# Altium PCB FMC_ADC_128CH_10B.PcbDoc (part 6 of 14)
Units mm, origin at the board's own origin, x right, y up, seen from the top; angles counter-clockwise.
Board outline 76.5 x 69 mm, 8 copper layers (Top Layer, Int1 (Sign), Int2 (GND), Int3 (Sign), Int4 (Sign), Int5 (GND), Int6 (Sign), Bottom Layer), stack 1.433 mm thick; 815 components, 661 nets, 3772 pads, 2072 vias.
Unrouted connection lines stored in the file: 135.
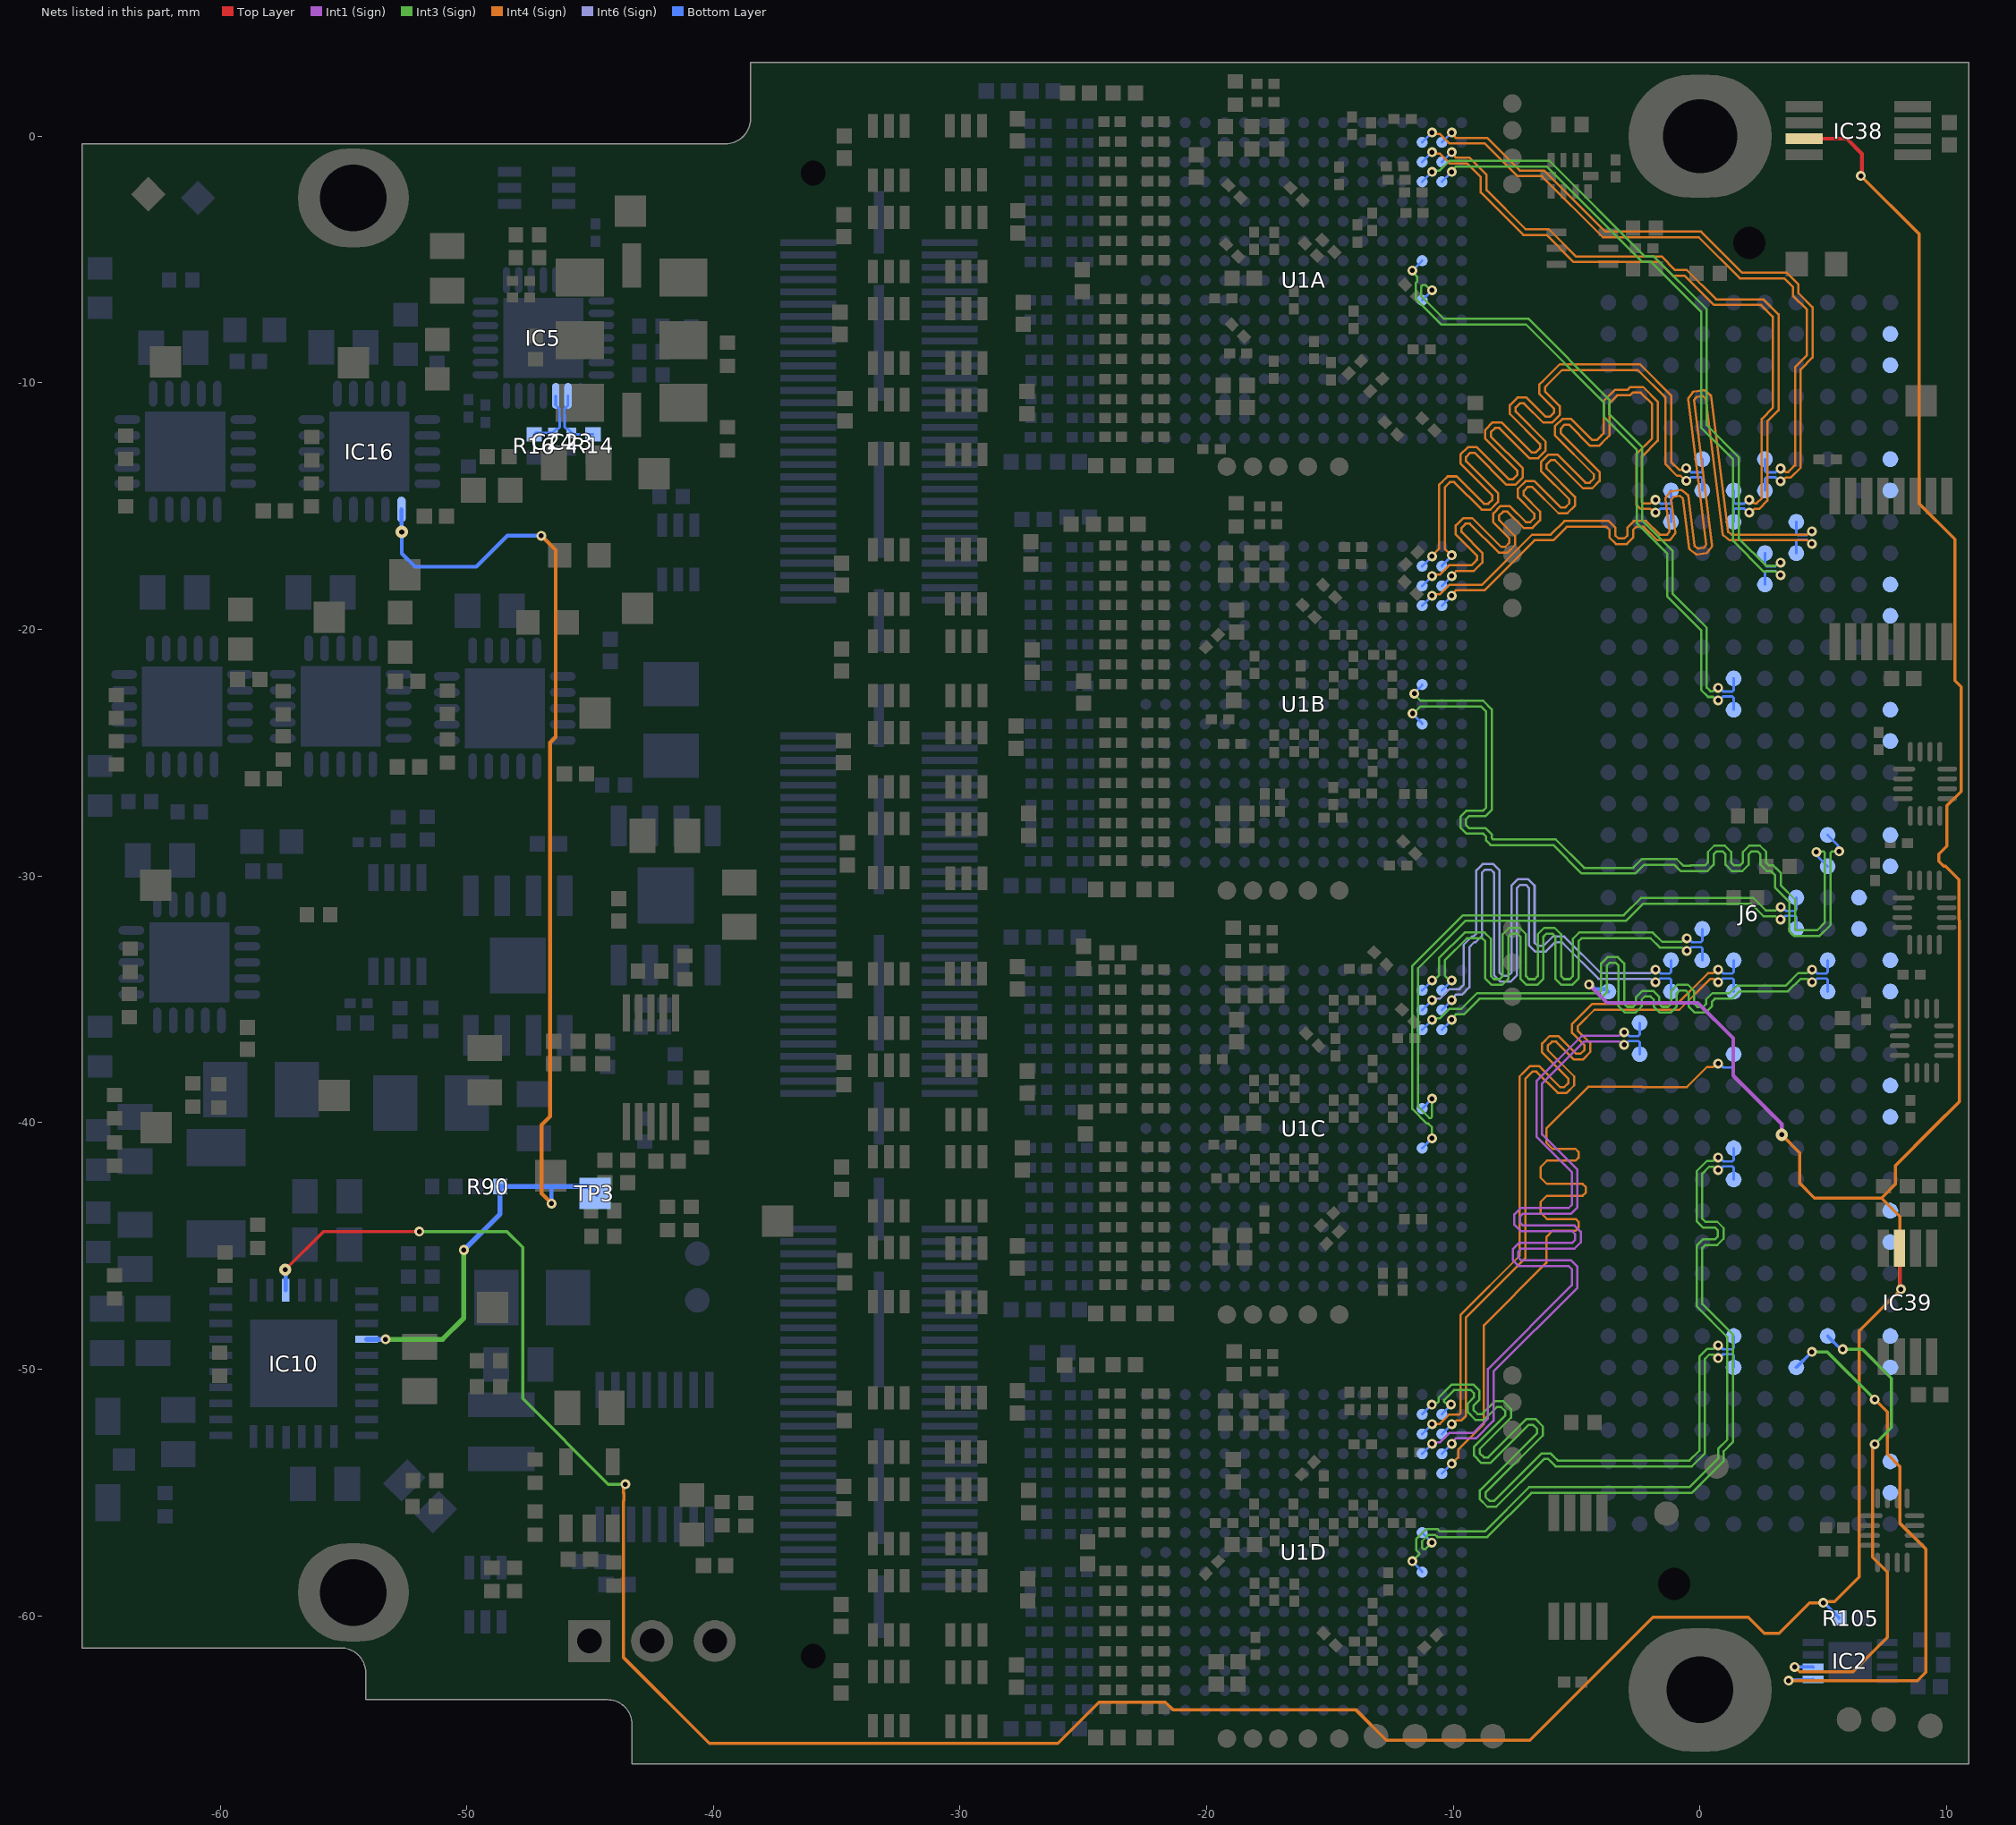
[diagram p12: the nets of this part, all layers, seen from the top]

## Via types
v1: diameter 0.4, hole 0.2, Top Layer to Bottom Layer, tented both sides, 1806 vias
v2: diameter 0.5, hole 0.2, Top Layer to Bottom Layer, tented both sides, 181 vias
v3: diameter 0.6, hole 0.3, Top Layer to Bottom Layer, tented both sides, 81 vias
v4: diameter 0.5, hole 0.3, Top Layer to Bottom Layer, tented both sides, 3 vias
v5: diameter 0.6, hole 0.2, Top Layer to Bottom Layer, tented both sides, 1 vias

## Nets (pads, with @x,y where several pads share a name; then routed paths per layer and width w, separated by ;. In a path a pad name is that pad's centre, name@x,y a point inside that pad or via, vN(x,y) a via of type N, cw(c..) or ccw(c..) an arc to the next point about the centre after c; other vN are vias at no path point) (continued)
DOUT12D_P: J6.f25 U1D.T5 | length 33
  Int4 (Sign) w0.091: v1(-10.067,-53.825) -10.054,-53.825 -9.802,-53.574 -9.802,-53.257 -8.765,-52.22 -8.765,-48.219 -6.23,-45.684 -6.23,-45.18 -6.23,-44.639 -5.975,-44.384 -5.042,-44.384 -4.922,-44.264 -4.922,-44.024 -5.042,-43.904 -6.208,-43.904 -6.463,-43.649 -6.463,-43.219 -6.208,-42.964 -4.76,-42.964 -4.64,-42.844 -4.64,-42.604 -4.76,-42.484 -6.208,-42.484 -6.463,-42.229 -6.463,-41.799 -6.208,-41.544 -5.05,-41.544 -4.93,-41.424 -4.93,-41.184 -5.05,-41.064 -5.975,-41.064 -6.23,-40.809 -6.23,-40.606 -6.23,-40.242 -4.535,-38.547 -2.357,-38.547 -2.347,-38.557 -0.533,-38.557 0.28,-37.744 0.523,-37.744 0.663,-37.604 v1(0.73,-37.604)
  Bottom Layer w0.1: U1D.T5@-10.467,-54.225 v1(-10.067,-53.825) ; v1(0.73,-37.604) 0.784,-37.604 0.939,-37.759 1.139,-37.759 1.304,-37.759 1.363,-37.701 J6.f25@1.363,-37.224
DOUT13A_N: J6.e10 U1A.T4 | length 26.8
  Int3 (Sign) w0.091: v1(-10.067,-1.445) -10.067,-1.391 -9.901,-1.225 -6.211,-1.225 -2.337,-5.1 -1.974,-5.1 0.04,-7.114 0.04,-11.81 1.338,-13.107 1.338,-16.406 2.586,-17.654 3.059,-17.654 3.199,-17.794 v1(3.266,-17.794)
  Bottom Layer w0.1: U1A.T4@-10.467,-1.845 v1(-10.067,-1.445) ; J6.e10@2.633,-18.174 2.633,-17.698 2.692,-17.639 2.857,-17.639 3.057,-17.639 3.212,-17.794 v1(3.266,-17.794)
DOUT13A_P: J6.e9 U1A.R4 | length 27.6
  Int3 (Sign) w0.091: v1(-10.867,-1.445) -10.813,-1.391 -10.556,-1.391 -10.16,-0.995 -6.116,-0.995 -2.241,-4.87 -1.878,-4.87 0.27,-7.018 0.27,-11.714 1.568,-13.012 1.568,-16.311 2.682,-17.424 3.059,-17.424 3.199,-17.284 v1(3.266,-17.284)
  Bottom Layer w0.1: U1A.R4@-11.267,-1.845 v1(-10.867,-1.445) ; J6.e9@2.633,-16.904 2.633,-17.381 2.692,-17.439 2.774,-17.439 3.057,-17.439 3.212,-17.284 v1(3.266,-17.284)
DOUT13B_N: J6.d9 U1B.T4 | length 34.5
  Int4 (Sign) w0.091: v1(-10.067,-18.634) -10.067,-18.58 -9.901,-18.414 -8.742,-18.414 -6.712,-16.384 -6.209,-16.384 -5.953,-16.384 -5.403,-15.834 -4.097,-15.834 -3.795,-15.834 -3.67,-15.959 -3.67,-16.275 -3.41,-16.534 -2.97,-16.534 -2.711,-16.275 -2.711,-15.959 -2.586,-15.834 -2.473,-15.834 -2.278,-15.834 -1.728,-16.384 -1.582,-16.384 ; v1(4.536,-16.524) 4.469,-16.524 4.329,-16.384 4.276,-16.384 1.977,-16.384 1.202,-16.384 0.956,-16.193 0.923,-16.16 0.233,-10.638 0.099,-10.534 -0.139,-10.564 -0.243,-10.698 0.492,-16.581 0.492,-16.628 0.301,-16.874 0.268,-16.907 -0.111,-16.954 -0.158,-16.954 -0.404,-16.763 -0.437,-16.73 -0.692,-14.684 -0.826,-14.58 -1.064,-14.609 -1.169,-14.743 -1.005,-16.053 -1.005,-16.1 -1.196,-16.346 -1.235,-16.384 -1.425,-16.384 -1.481,-16.384 ; -1.582,-16.384 -1.481,-16.384 ; -1.582,-16.384 -1.481,-16.384
  Bottom Layer w0.1: U1B.T4@-10.467,-19.034 v1(-10.067,-18.634) ; J6.d9@3.903,-16.904 3.903,-16.428 3.962,-16.369 4.127,-16.369 4.327,-16.369 4.482,-16.524 v1(4.536,-16.524)
DOUT13B_P: J6.d8 U1B.R4 | length 35.2
  Int4 (Sign) w0.091: v1(-10.867,-18.634) -10.813,-18.579 -10.556,-18.579 -10.16,-18.184 -8.837,-18.184 -6.808,-16.154 -6.048,-16.154 -5.498,-15.604 -4.097,-15.604 -3.699,-15.604 -3.44,-15.864 -3.44,-16.18 -3.315,-16.304 -3.066,-16.304 -2.941,-16.18 -2.941,-15.864 -2.681,-15.604 -2.473,-15.604 -2.183,-15.604 -1.633,-16.154 -1.453,-16.154 -1.339,-16.154 -1.24,-16.027 -1.404,-14.718 -1.404,-14.671 -1.212,-14.425 -1.179,-14.392 -0.8,-14.345 -0.754,-14.345 -0.508,-14.536 -0.475,-14.569 -0.219,-16.615 -0.085,-16.719 0.153,-16.689 0.257,-16.555 -0.478,-10.672 -0.478,-10.625 -0.287,-10.379 -0.254,-10.346 0.125,-10.299 0.172,-10.299 0.418,-10.49 0.451,-10.523 1.141,-16.045 1.281,-16.154 1.949,-16.154 2.1,-16.154 4.329,-16.154 4.469,-16.014 v1(4.536,-16.014)
  Bottom Layer w0.1: U1B.R4@-11.267,-19.034 v1(-10.867,-18.634) ; J6.d8@3.903,-15.634 3.903,-16.111 3.962,-16.169 4.044,-16.169 4.327,-16.169 4.482,-16.014 v1(4.536,-16.014)
DOUT13C_N: J6.c23 U1C.T4 | length 22.7
  Int3 (Sign) w0.091: v1(-10.067,-35.83) -10.067,-35.776 -9.901,-35.61 -9.577,-35.61 -8.945,-34.977 -4.24,-34.977 -4.037,-34.977 -3.783,-34.723 -3.783,-33.634 -3.663,-33.514 -3.423,-33.514 -3.303,-33.634 -3.303,-35.28 -3.048,-35.534 -2.617,-35.534 -2.363,-35.28 -2.363,-35.004 -2.243,-34.884 -2.003,-34.884 -1.883,-35.004 -1.883,-35.28 -1.628,-35.534 -1.197,-35.534 -0.943,-35.28 -0.943,-34.757 -0.823,-34.637 -0.583,-34.637 -0.463,-34.757 -0.463,-35.28 -0.208,-35.534 0.223,-35.534 0.477,-35.28 0.477,-35.097 0.597,-34.977 1.264,-34.977 1.293,-34.977 1.372,-34.899 1.595,-34.676 3.566,-34.676 4.077,-34.164 4.333,-34.164 4.473,-34.304 v1(4.54,-34.304)
  Bottom Layer w0.1: U1C.T4@-10.467,-36.23 v1(-10.067,-35.83) ; v1(4.54,-34.304) 4.594,-34.304 4.749,-34.149 5.032,-34.149 5.114,-34.149 5.173,-34.208 J6.c23@5.173,-34.684
DOUT13C_P: J6.c22 U1C.R4 | length 23.6
  Int3 (Sign) w0.091: v1(-10.867,-35.83) -10.813,-35.775 -10.556,-35.775 -10.16,-35.38 -9.672,-35.38 -9.04,-34.747 -4.24,-34.747 -4.133,-34.747 -4.013,-34.627 -4.013,-33.539 -3.758,-33.284 -3.327,-33.284 -3.073,-33.539 -3.073,-35.184 -2.953,-35.304 -2.713,-35.304 -2.593,-35.184 -2.593,-34.909 -2.338,-34.654 -1.907,-34.654 -1.653,-34.909 -1.653,-35.184 -1.533,-35.304 -1.293,-35.304 -1.173,-35.184 -1.173,-34.662 -0.918,-34.407 -0.487,-34.407 -0.233,-34.662 -0.233,-35.184 -0.113,-35.304 0.127,-35.304 0.247,-35.184 0.247,-35.002 0.502,-34.747 1.198,-34.747 1.372,-34.573 1.499,-34.446 3.47,-34.446 3.982,-33.934 4.333,-33.934 4.473,-33.794 v1(4.54,-33.794)
  Bottom Layer w0.1: U1C.R4@-11.267,-36.23 v1(-10.867,-35.83) ; v1(4.54,-33.794) 4.594,-33.794 4.749,-33.949 4.949,-33.949 5.114,-33.949 5.173,-33.891 J6.c22@5.173,-33.414
DOUT13D_N: J6.j25 U1D.T4 | length 32.5
  Int1 (Sign) w0.091: v1(-10.067,-53.025) -10.067,-52.972 -9.901,-52.805 -9.087,-52.805 -8.369,-52.088 -8.369,-50.088 -4.97,-46.688 -4.97,-46.046 -4.97,-45.844 -5.225,-45.589 -7.245,-45.589 -7.365,-45.469 -7.365,-45.229 -7.245,-45.109 -5.091,-45.109 -4.836,-44.854 -4.836,-44.424 -5.091,-44.169 -7.176,-44.169 -7.296,-44.049 -7.296,-43.809 -7.176,-43.689 -5.225,-43.689 -4.97,-43.434 -4.97,-42.871 -4.97,-41.905 -6.4,-40.475 -6.4,-38.407 -4.697,-36.704 -3.287,-36.704 -3.147,-36.844 v1(-3.08,-36.844)
  Bottom Layer w0.1: U1D.T4@-10.467,-53.425 v1(-10.067,-53.025) ; v1(-3.08,-36.844) -3.026,-36.844 -2.871,-36.689 -2.588,-36.689 -2.506,-36.689 -2.447,-36.748 J6.j25@-2.447,-37.224
DOUT13D_P: J6.j24 U1D.R4 | length 33.3
  Int1 (Sign) w0.091: v1(-10.867,-53.025) -10.813,-52.971 -10.556,-52.971 -10.16,-52.575 -9.182,-52.575 -8.599,-51.993 -8.599,-49.992 -5.2,-46.593 -5.2,-46.046 -5.2,-45.939 -5.32,-45.819 -7.341,-45.819 -7.595,-45.564 -7.595,-45.134 -7.341,-44.879 -5.186,-44.879 -5.066,-44.759 -5.066,-44.519 -5.186,-44.399 -7.272,-44.399 -7.526,-44.144 -7.526,-43.714 -7.272,-43.459 -5.32,-43.459 -5.2,-43.339 -5.2,-42.871 -5.2,-42.001 -6.63,-40.57 -6.63,-38.312 -4.792,-36.474 -3.287,-36.474 -3.147,-36.334 v1(-3.08,-36.334)
  Bottom Layer w0.1: U1D.R4@-11.267,-53.425 v1(-10.867,-53.025) ; v1(-3.08,-36.334) -3.026,-36.334 -2.871,-36.489 -2.671,-36.489 -2.506,-36.489 -2.447,-36.431 J6.j24@-2.447,-35.954
DOUT14A_N: J6.f8 U1A.T3 | length 26.8
  Int4 (Sign) w0.091: v1(-10.067,-0.645) -10.067,-0.699 -9.901,-0.865 -9.354,-0.865 -8.656,-1.563 -8.656,-2.185 -7.071,-3.77 -6.13,-3.77 -5.032,-4.868 -1.563,-4.868 -1.009,-5.423 -0.532,-5.423 0.656,-6.61 2.568,-6.61 3.179,-7.221 3.179,-11.111 2.73,-11.56 2.73,-14.775 2.391,-15.114 2.203,-15.114 2.063,-15.254 v1(1.996,-15.254)
  Bottom Layer w0.1: U1A.T3@-10.467,-1.045 v1(-10.067,-0.645) ; J6.f8@1.363,-15.634 1.363,-15.158 1.422,-15.099 1.587,-15.099 1.787,-15.099 1.942,-15.254 v1(1.996,-15.254)
DOUT14A_P: J6.f7 U1A.R3 | length 26.9
  Int4 (Sign) w0.091: v1(-10.867,-0.645) -10.813,-0.7 -10.556,-0.7 -10.16,-1.095 -9.45,-1.095 -8.886,-1.659 -8.886,-2.28 -7.166,-4 -6.225,-4 -5.127,-5.098 -1.658,-5.098 -1.104,-5.653 -0.627,-5.653 0.56,-6.84 2.473,-6.84 2.949,-7.316 2.949,-11.015 2.5,-11.464 2.5,-14.68 2.295,-14.884 2.203,-14.884 2.063,-14.744 v1(1.996,-14.744)
  Bottom Layer w0.1: U1A.R3@-11.267,-1.045 v1(-10.867,-0.645) ; J6.f7@1.363,-14.364 1.363,-14.841 1.422,-14.899 1.504,-14.899 1.787,-14.899 1.942,-14.744 v1(1.996,-14.744)
DOUT14B_N: J6.h8 U1B.T3 | length 34.6
  Int4 (Sign) w0.091: v1(-10.067,-17.834) -10.067,-17.811 -9.885,-17.629 -9.174,-17.629 -8.956,-17.411 -8.813,-17.268 -8.813,-16.908 -9.672,-16.049 -9.672,-15.879 -9.502,-15.709 -9.332,-15.709 -8.162,-16.88 -7.802,-16.88 -7.497,-16.575 -7.497,-16.215 -8.154,-15.559 -8.154,-15.389 -7.984,-15.219 -7.814,-15.219 -7.153,-15.881 -6.793,-15.881 -6.488,-15.576 -6.488,-15.216 -7.149,-14.555 -7.149,-14.385 -6.98,-14.215 -6.81,-14.215 -5.738,-15.288 -5.377,-15.288 -5.073,-14.983 -5.073,-14.623 -6.223,-13.473 -6.223,-13.304 -6.053,-13.134 -5.883,-13.134 -4.739,-14.278 -4.379,-14.278 -4.074,-13.974 -4.074,-13.614 -5.656,-12.032 -5.656,-11.863 -5.486,-11.693 -5.316,-11.693 -4.457,-12.552 -4.097,-12.552 -3.779,-12.235 -3.712,-12.168 -3.678,-12.133 -3.678,-10.83 -3.355,-10.507 -2.839,-10.507 -2.73,-10.398 -2.403,-10.398 -1.943,-10.858 -1.943,-12.251 -2.586,-12.894 -2.586,-14.933 -2.404,-15.114 -2.017,-15.114 -1.877,-15.254 v1(-1.81,-15.254)
  Bottom Layer w0.1: U1B.T3@-10.467,-18.234 v1(-10.067,-17.834) ; v1(-1.81,-15.254) -1.756,-15.254 -1.601,-15.099 -1.318,-15.099 -1.236,-15.099 -1.177,-15.158 J6.h8@-1.177,-15.634
DOUT14B_P: J6.h7 U1B.R3 | length 35.5
  Int4 (Sign) w0.091: v1(-10.867,-17.834) -10.813,-17.779 -10.559,-17.779 -10.179,-17.399 -9.269,-17.399 -9.118,-17.249 -9.043,-17.173 -9.043,-17.003 -9.902,-16.144 -9.902,-15.784 -9.597,-15.479 -9.237,-15.479 -8.067,-16.65 -7.897,-16.65 -7.727,-16.48 -7.727,-16.31 -8.384,-15.654 -8.384,-15.294 -8.079,-14.989 -7.719,-14.989 -7.058,-15.651 -6.888,-15.651 -6.718,-15.481 -6.718,-15.311 -7.379,-14.65 -7.379,-14.29 -7.075,-13.985 -6.715,-13.985 -5.642,-15.058 -5.473,-15.058 -5.303,-14.888 -5.303,-14.718 -6.453,-13.569 -6.453,-13.208 -6.148,-12.904 -5.788,-12.904 -4.644,-14.048 -4.474,-14.048 -4.304,-13.879 -4.304,-13.709 -5.885,-12.128 -5.885,-11.767 -5.581,-11.463 -5.221,-11.463 -4.361,-12.322 -4.192,-12.322 -4.009,-12.14 -3.942,-12.072 -3.908,-12.038 -3.908,-10.735 -3.45,-10.277 -2.935,-10.277 -2.825,-10.168 -2.308,-10.168 -1.713,-10.763 -1.713,-12.346 -2.356,-12.989 -2.356,-14.837 -2.309,-14.884 -2.017,-14.884 -1.877,-14.744 v1(-1.81,-14.744)
  Bottom Layer w0.1: U1B.R3@-11.267,-18.234 v1(-10.867,-17.834) ; v1(-1.81,-14.744) -1.756,-14.744 -1.601,-14.899 -1.401,-14.899 -1.236,-14.899 -1.177,-14.841 J6.h7@-1.177,-14.364
DOUT14C_N: J6.h23 U1C.T3 | length 26
  Int6 (Sign) w0.091: v1(-10.067,-35.03) -10.067,-34.976 -9.901,-34.81 -9.657,-34.81 -9.355,-34.507 -9.355,-32.887 -9.295,-32.828 -9.149,-32.681 -9.093,-32.681 -8.838,-32.427 -8.838,-29.863 -8.718,-29.743 -8.478,-29.743 -8.358,-29.863 -8.358,-34.017 -8.103,-34.271 -7.673,-34.271 -7.418,-34.017 -7.418,-30.48 -7.298,-30.36 -7.058,-30.36 -6.938,-30.48 -6.938,-32.801 -6.683,-33.056 -6.253,-33.056 -5.998,-32.801 -5.878,-32.681 -5.601,-32.681 -5.539,-32.744 -4.118,-34.164 -2.017,-34.164 -1.877,-34.304 v1(-1.81,-34.304)
  Bottom Layer w0.1: U1C.T3@-10.467,-35.43 v1(-10.067,-35.03) ; v1(-1.81,-34.304) -1.756,-34.304 -1.601,-34.149 -1.318,-34.149 -1.236,-34.149 -1.177,-34.208 J6.h23@-1.177,-34.684
DOUT14C_P: J6.h22 U1C.R3 | length 26.9
  Int6 (Sign) w0.091: v1(-10.867,-35.03) -10.813,-34.975 -10.556,-34.975 -10.16,-34.58 -9.752,-34.58 -9.585,-34.412 -9.585,-32.792 -9.295,-32.503 -9.244,-32.451 -9.188,-32.451 -9.068,-32.331 -9.068,-29.767 -8.813,-29.513 -8.383,-29.513 -8.128,-29.767 -8.128,-33.921 -8.008,-34.041 -7.768,-34.041 -7.648,-33.921 -7.648,-30.385 -7.393,-30.13 -6.963,-30.13 -6.708,-30.385 -6.708,-32.706 -6.588,-32.826 -6.348,-32.826 -6.228,-32.706 -5.973,-32.451 -5.539,-32.451 -5.506,-32.451 -4.023,-33.934 -2.017,-33.934 -1.877,-33.794 v1(-1.81,-33.794)
  Bottom Layer w0.1: U1C.R3@-11.267,-35.43 v1(-10.867,-35.03) ; v1(-1.81,-33.794) -1.756,-33.794 -1.601,-33.949 -1.401,-33.949 -1.236,-33.949 -1.177,-33.891 J6.h22@-1.177,-33.414
DOUT14D_N: J6.f23 U1D.T3 | length 31.8
  Int4 (Sign) w0.091: v1@-10.067,-52.172 v1(-10.067,-52.225) -10.017,-52.225 -9.86,-52.069 -9.669,-52.069 -9.487,-51.887 -9.487,-47.894 -7.087,-45.494 -7.087,-38.221 -6.995,-38.128 -6.798,-37.932 -6.628,-37.932 -5.769,-38.791 -5.409,-38.791 -5.104,-38.486 -5.104,-38.126 -6.175,-37.055 -6.175,-36.885 -6.006,-36.716 -5.836,-36.716 -5.114,-37.438 -4.753,-37.438 -4.449,-37.134 -4.449,-36.773 -4.959,-36.263 -4.959,-36.093 -4.883,-36.017 -4.288,-35.421 -0.839,-35.421 0.418,-34.164 0.523,-34.164 0.663,-34.304 v1(0.73,-34.304)
  Bottom Layer w0.1: U1D.T3@-10.467,-52.625 v1(-10.067,-52.225) ; v1(0.73,-34.304) 0.784,-34.304 0.939,-34.149 1.222,-34.149 1.304,-34.149 1.363,-34.208 J6.f23@1.363,-34.684
DOUT14D_P: J6.f22 U1D.R3 | length 32.7
  Int4 (Sign) w0.091: v1(-10.867,-52.225) -10.852,-52.21 -10.547,-52.21 -10.176,-51.839 -9.764,-51.839 -9.717,-51.792 -9.717,-47.799 -7.317,-45.398 -7.317,-38.125 -7.157,-37.966 -6.893,-37.702 -6.533,-37.702 -5.674,-38.561 -5.504,-38.561 -5.334,-38.391 -5.334,-38.222 -6.405,-37.15 -6.405,-36.79 -6.101,-36.486 -5.741,-36.486 -5.018,-37.208 -4.849,-37.208 -4.679,-37.038 -4.679,-36.869 -5.189,-36.358 -5.189,-35.998 -5.046,-35.855 -4.383,-35.191 -0.934,-35.191 0.323,-33.934 0.523,-33.934 0.663,-33.794 v1(0.73,-33.794)
  Bottom Layer w0.1: U1D.R3@-11.267,-52.625 v1(-10.867,-52.225) ; v1(0.73,-33.794) 0.784,-33.794 0.939,-33.949 1.139,-33.949 1.304,-33.949 1.363,-33.891 J6.f22@1.363,-33.414
DOUT15A_N: J6.e7 U1A.T2 | length 27.3
  Int4 (Sign) w0.091: v1(-10.067,0.155) -10.067,0.101 -9.901,-0.065 -8.63,-0.065 -7.309,-1.386 -6.321,-1.386 -3.839,-3.868 0.046,-3.868 1.712,-5.533 3.516,-5.533 3.992,-6.009 3.992,-6.363 4.563,-6.935 4.563,-8.971 4.08,-9.454 4.08,-13.437 3.673,-13.844 3.473,-13.844 3.333,-13.984 v1(3.266,-13.984)
  Bottom Layer w0.1: U1A.T2@-10.467,-0.245 v1(-10.067,0.155) ; J6.e7@2.633,-14.364 2.633,-13.888 2.692,-13.829 2.857,-13.829 3.057,-13.829 3.212,-13.984 v1(3.266,-13.984)
DOUT15A_P: J6.e6 U1A.R2 | length 27.4
  Int4 (Sign) w0.091: v1(-10.867,0.155) -10.813,0.1 -10.556,0.1 -10.16,-0.295 -8.725,-0.295 -7.405,-1.616 -6.416,-1.616 -3.934,-4.098 -0.049,-4.098 1.616,-5.763 3.421,-5.763 3.762,-6.104 3.762,-6.458 4.333,-7.03 4.333,-8.876 3.85,-9.359 3.85,-13.342 3.578,-13.614 3.473,-13.614 3.333,-13.474 v1(3.266,-13.474)
  Bottom Layer w0.1: U1A.R2@-11.267,-0.245 v1(-10.867,0.155) ; J6.e6@2.633,-13.094 2.633,-13.571 2.692,-13.629 2.774,-13.629 3.057,-13.629 3.212,-13.474 v1(3.266,-13.474)
DOUT15B_N: J6.g7 U1B.T2 | length 33.6
  Int4 (Sign) w0.091: v1(-10.067,-16.989) -10.09,-16.989 -10.352,-16.726 -10.352,-14.586 -10.352,-14.237 -10.29,-14.175 -10.137,-14.022 -9.967,-14.022 -8.854,-15.135 -8.493,-15.135 -8.189,-14.83 -8.189,-14.47 -9.484,-13.175 -9.484,-13.005 -9.314,-12.836 -9.145,-12.836 -7.85,-14.131 -7.489,-14.131 -7.185,-13.826 -7.185,-13.466 -8.48,-12.171 -8.48,-12.001 -8.31,-11.832 -8.141,-11.832 -6.923,-13.05 -6.562,-13.05 -6.258,-12.745 -6.258,-12.385 -7.476,-11.167 -7.476,-10.997 -7.306,-10.828 -7.136,-10.828 -6.356,-11.608 -5.995,-11.608 -5.691,-11.304 -5.691,-10.944 -6.29,-10.345 -6.29,-10.175 -6.214,-10.099 -5.592,-9.478 -2.528,-9.478 -1.399,-10.606 -1.399,-13.3 -0.934,-13.765 -0.799,-13.765 -0.592,-13.971 v1(-0.552,-13.971)
  Bottom Layer w0.1: U1B.T2@-10.467,-17.434 -10.467,-17.411 -10.067,-17.011 v1(-10.067,-16.989) ; v1(-0.552,-13.971) -0.499,-13.971 -0.356,-13.829 -0.059,-13.829 0.034,-13.829 0.093,-13.888 J6.g7@0.093,-14.364
DOUT15B_P: J6.g6 U1B.R2 | length 33.9
  Int4 (Sign) w0.091: v1(-10.867,-17.034) -10.867,-17.011 -10.582,-16.726 -10.582,-14.356 -10.582,-14.205 -10.582,-14.142 -10.453,-14.013 -10.232,-13.792 -9.872,-13.792 -8.758,-14.905 -8.589,-14.905 -8.419,-14.735 -8.419,-14.565 -9.714,-13.27 -9.714,-12.91 -9.41,-12.606 -9.049,-12.606 -7.754,-13.901 -7.585,-13.901 -7.415,-13.731 -7.415,-13.561 -8.71,-12.266 -8.71,-11.906 -8.406,-11.602 -8.045,-11.602 -6.827,-12.82 -6.658,-12.82 -6.488,-12.65 -6.488,-12.48 -7.706,-11.262 -7.706,-10.902 -7.401,-10.598 -7.041,-10.598 -6.26,-11.378 -6.091,-11.378 -5.921,-11.209 -5.921,-11.039 -6.52,-10.44 -6.52,-10.08 -6.377,-9.937 -5.688,-9.248 -2.432,-9.248 -1.169,-10.511 -1.169,-13.204 -0.839,-13.535 -0.772,-13.535 -0.76,-13.523 -0.627,-13.523 v1(-0.565,-13.462)
  Bottom Layer w0.1: U1B.R2@-11.267,-17.434 v1(-10.867,-17.034) ; v1(-0.565,-13.462) -0.524,-13.462 -0.356,-13.629 -0.142,-13.629 0.034,-13.629 0.093,-13.571 J6.g6@0.093,-13.094
DOUT15C_N: J6.g22 U1C.T2 | length 23.9
  Int3 (Sign) w0.091: v1(-10.067,-34.23) -10.153,-34.23 -10.352,-34.031 -10.352,-33.422 -9.455,-32.525 -9.452,-32.522 -9.447,-32.522 -9.348,-32.522 -8.828,-32.522 -8.708,-32.642 -8.708,-34.155 -8.453,-34.41 -8.022,-34.41 -7.768,-34.155 -7.768,-32.453 -7.648,-32.333 -7.408,-32.333 -7.288,-32.453 -7.288,-34.155 -7.033,-34.41 -6.602,-34.41 -6.348,-34.155 -6.348,-32.453 -6.228,-32.333 -5.988,-32.333 -5.868,-32.453 -5.868,-34.155 -5.613,-34.41 -5.182,-34.41 -4.928,-34.155 -4.928,-32.642 -4.808,-32.522 -4.708,-32.522 -4.705,-32.519 -4.7,-32.519 -2.008,-32.519 -1.633,-32.894 -0.747,-32.894 -0.607,-33.034 v1(-0.54,-33.034)
  Bottom Layer w0.1: U1C.T2@-10.467,-34.63 v1(-10.067,-34.23) ; v1(-0.54,-33.034) -0.486,-33.034 -0.331,-32.879 -0.048,-32.879 0.034,-32.879 0.093,-32.938 J6.g22@0.093,-33.414
DOUT15C_P: J6.g21 U1C.R2 | length 24.3
  Int3 (Sign) w0.091: v1(-10.867,-34.23) -10.781,-34.23 -10.582,-34.031 -10.582,-33.327 -9.544,-32.289 -9.455,-32.289 -9.455,-32.292 -9.348,-32.292 -8.732,-32.292 -8.478,-32.547 -8.478,-34.06 -8.358,-34.18 -8.118,-34.18 -7.998,-34.06 -7.998,-32.358 -7.743,-32.103 -7.312,-32.103 -7.058,-32.358 -7.058,-34.06 -6.938,-34.18 -6.698,-34.18 -6.578,-34.06 -6.578,-32.358 -6.323,-32.103 -5.892,-32.103 -5.638,-32.358 -5.638,-34.06 -5.518,-34.18 -5.278,-34.18 -5.158,-34.06 -5.158,-32.547 -4.903,-32.292 -4.803,-32.292 -4.8,-32.289 -4.7,-32.289 -1.913,-32.289 -1.538,-32.664 -0.747,-32.664 -0.607,-32.524 v1(-0.54,-32.524)
  Bottom Layer w0.1: U1C.R2@-11.267,-34.63 v1(-10.867,-34.23) ; v1(-0.54,-32.524) -0.486,-32.524 -0.331,-32.679 -0.131,-32.679 0.034,-32.679 0.093,-32.621 J6.g21@0.093,-32.144
DOUT15D_N: J6.f35 U1D.T2 | length 30.8
  Int3 (Sign) w0.091: -10.373,-51.319 -10.328,-51.364 -10.16,-51.364 v1(-10.099,-51.425) ; -10.373,-51.313 -10.373,-51.247 -9.974,-50.848 -9.628,-50.848 -9.291,-50.848 -9.171,-50.968 -9.171,-51.138 -9.417,-51.384 -9.417,-51.744 -9.112,-52.049 -8.752,-52.049 -8.233,-51.53 -8.063,-51.53 -7.894,-51.7 -7.894,-51.869 -9.164,-53.14 -9.164,-53.5 -8.86,-53.804 -8.499,-53.804 -6.943,-52.248 -6.773,-52.248 -6.603,-52.417 -6.603,-52.587 -8.927,-54.911 -8.927,-55.271 -8.622,-55.575 -8.262,-55.575 -6.326,-53.639 -6.156,-53.639 -6.08,-53.715 -5.861,-53.934 -0.331,-53.934 0.2,-53.403 0.2,-49.58 0.375,-49.404 0.523,-49.404 0.663,-49.544 v1(0.73,-49.544)
  Bottom Layer w0.1: U1D.T2@-10.467,-51.825 -10.467,-51.81 -10.099,-51.441 v1(-10.099,-51.425) ; v1(0.73,-49.544) 0.784,-49.544 0.939,-49.389 1.222,-49.389 1.304,-49.389 1.363,-49.448 J6.f35@1.363,-49.924
DOUT15D_P: J6.f34 U1D.R2 | length 31.2
  Int3 (Sign) w0.091: v1(-10.877,-51.431) -10.816,-51.37 -10.654,-51.37 -10.603,-51.319 -10.603,-51.152 -10.07,-50.618 -9.398,-50.618 -9.246,-50.618 -9.195,-50.618 -8.941,-50.873 -8.941,-51.233 -9.187,-51.479 -9.187,-51.649 -9.017,-51.819 -8.847,-51.819 -8.328,-51.3 -7.968,-51.3 -7.664,-51.604 -7.664,-51.965 -8.934,-53.235 -8.934,-53.405 -8.764,-53.574 -8.595,-53.574 -7.038,-52.018 -6.678,-52.018 -6.373,-52.322 -6.373,-52.682 -8.697,-55.006 -8.697,-55.176 -8.527,-55.345 -8.357,-55.345 -6.421,-53.409 -6.061,-53.409 -5.994,-53.476 -5.918,-53.552 -5.766,-53.704 -0.426,-53.704 -0.03,-53.308 -0.03,-49.484 0.28,-49.174 0.523,-49.174 0.663,-49.034 v1(0.73,-49.034)
  Bottom Layer w0.1: U1D.R2@-11.267,-51.821 v1(-10.877,-51.431) ; v1(0.73,-49.034) 0.784,-49.034 0.939,-49.189 1.139,-49.189 1.304,-49.189 1.363,-49.131 J6.f34@1.363,-48.654
DP1_C2M_N: J6.a23
DP1_C2M_P: J6.a22
DP1_M2C_N: J6.a3
DP1_M2C_P: J6.a2
DP2_C2M_N: J6.a27
DP2_C2M_P: J6.a26
DP2_M2C_N: J6.a7
DP2_M2C_P: J6.a6
DP3_C2M_N: J6.a31
DP3_C2M_P: J6.a30
DP3_M2C_N: J6.a11
DP3_M2C_P: J6.a10
DP4_C2M_N: J6.a35
DP4_C2M_P: J6.a34
DP4_M2C_N: J6.a15
DP4_M2C_P: J6.a14
DP5_C2M_N: J6.a39
DP5_C2M_P: J6.a38
DP5_M2C_N: J6.a19
DP5_M2C_P: J6.a18
EN_P1V2D: IC10.26 IC16.11 R90.2 TP3.1 | length 50.9
  Int3 (Sign) w0.2: v1(-53.292,-48.785) -50.984,-48.785 -50.118,-47.92 v1(-50.118,-45.163)
  Int4 (Sign) w0.152: v1(-46.977,-16.197) -46.399,-16.776 -46.399,-24.359 -46.622,-24.583 -46.622,-39.744 -46.964,-40.085 -46.964,-42.879 v1(-46.565,-43.278)
  Bottom Layer w0.152: IC16.11@-52.657,-15.127 IC16.11@-52.646,-15.137 -52.646,-16.032 v2(-52.636,-16.042) -52.636,-16.922 -52.097,-17.461 -49.615,-17.461 -48.351,-16.197 v1(-46.977,-16.197) ; v1(-46.565,-43.278) -46.565,-42.628 -46.523,-42.586 ; TP3.1@-44.8,-42.862 TP3.1@-44.729,-42.933
  Bottom Layer w0.2: IC10.26@-54.052,-48.785 v1(-53.292,-48.785) ; v1(-50.118,-45.163) -48.65,-43.695 R90.2@-48.65,-42.586 -46.523,-42.586 -45.076,-42.586 TP3.1@-44.8,-42.862
EN_PWR: IC10.19 IC38.3 IC39.3 J6.k23 R105.1 | length 172.2
  Top Layer w0.127: v2(-57.357,-45.963) -55.805,-44.411 v1(-51.924,-44.411)
  Top Layer w0.152: IC38.3@4.218,-0.098 5.946,-0.098 6.559,-0.711 6.559,-1.57 v1(6.523,-1.605) ; IC39.3@8.087,-45.087 8.114,-45.114 8.114,-46.731 v1(8.141,-46.757)
  Int1 (Sign) w0.152: v1(-4.502,-34.397) -3.764,-35.136 -0.097,-35.136 1.343,-36.576 1.343,-38.089 3.313,-40.058 v2(3.313,-40.491)
  Int3 (Sign) w0.127: v1(-51.924,-44.411) -48.376,-44.411 -47.736,-45.052 -47.736,-51.19 -44.264,-54.661 v1(-43.574,-54.661)
  Int4 (Sign) w0.127: v1(-43.574,-54.661) -43.656,-54.744 -43.656,-55.016 -43.637,-55.036 -43.637,-55.328 -43.656,-55.348 -43.656,-61.677 -40.166,-65.167 -26.033,-65.167 -24.36,-63.494 -21.683,-63.494 -21.375,-63.802 -13.962,-63.802 -12.721,-65.044 -6.9,-65.044 -1.912,-60.055 1.953,-60.055 2.601,-60.703 3.21,-60.703 4.444,-59.47 v1(5,-59.47) 5.052,-59.418 5.454,-59.418 6.446,-58.426 6.446,-48.452 v1(8.141,-46.757) ; v2(3.313,-40.491) 4.044,-41.222 4.044,-42.452 4.644,-43.052 7.356,-43.052 ; v1(6.523,-1.605) 8.875,-3.958 8.875,-14.889 10.332,-16.346 10.332,-22.067 10.591,-22.326 10.591,-26.565 10.013,-27.143 10.013,-28.014 10.002,-28.025 10.002,-28.777 9.675,-29.105 9.675,-29.398 9.882,-29.605 9.952,-29.605 10.493,-30.145 10.493,-31.785 10.509,-31.802 10.509,-36.15 ; v1@8.104,-46.757 8.104,-43.8 7.356,-43.052 ; 10.51,-36.15 10.51,-39.148 9.455,-40.203 7.929,-41.729 7.929,-42.479 7.356,-43.052
  Bottom Layer w0.127: v1(5,-59.47) 5.041,-59.47 5.637,-60.066 R105.1@5.637,-60.086
  Bottom Layer w0.152: IC10.19@-57.339,-46.798 v2@-57.339,-46.039 ; v1(-4.502,-34.397) -4.435,-34.397 -4.241,-34.591 -3.81,-34.591 J6.k23@-3.717,-34.684
FCLKA_N: J6.f14 U1A.R8 | length 26.6
  Int3 (Sign) w0.091: v1(-11.667,-5.445) -11.667,-5.494 -11.465,-5.696 -11.465,-5.881 -11.533,-5.948 -11.533,-6.587 -10.494,-7.625 -7.06,-7.625 -3.908,-10.778 -3.908,-11.368 -2.57,-12.706 -2.57,-15.683 -1.335,-16.919 -1.335,-18.651 0.04,-20.026 0.04,-22.452 0.323,-22.734 0.523,-22.734 0.663,-22.874 v1(0.73,-22.874)
  Bottom Layer w0.1: v1(-11.667,-5.445) U1A.R8@-11.267,-5.045 ; v1(0.73,-22.874) 0.784,-22.874 0.939,-22.719 1.222,-22.719 1.304,-22.719 1.363,-22.778 J6.f14@1.363,-23.254
FCLKA_P: J6.f13 U1A.R10 | length 26
  Int3 (Sign) w0.091: v1@-10.867,-6.252 v1(-10.867,-6.245) -10.916,-6.245 -11.118,-6.043 -11.256,-6.043 -11.303,-6.09 -11.303,-6.491 -10.399,-7.395 -6.965,-7.395 -3.678,-10.683 -3.678,-11.273 -2.34,-12.611 -2.34,-15.588 -1.105,-16.823 -1.105,-18.555 0.27,-19.93 0.27,-22.357 0.418,-22.504 0.523,-22.504 0.663,-22.364 v1(0.73,-22.364)
  Bottom Layer w0.1: U1A.R10@-11.267,-6.645 v1(-10.867,-6.245) ; v1(0.73,-22.364) 0.784,-22.364 0.939,-22.519 1.139,-22.519 1.304,-22.519 1.363,-22.461 J6.f13@1.363,-21.984
FCLKB_N: J6.c19 U1B.R8 | length 33.6
  Int3 (Sign) w0.091: v1(-11.58,-22.6) -11.58,-22.636 -11.328,-22.888 -8.791,-22.888 -8.442,-23.237 -8.442,-26.12 -8.442,-26.323 -8.442,-27.319 -8.697,-27.574 -9.367,-27.574 -9.487,-27.694 -9.487,-27.934 -9.367,-28.054 -8.697,-28.054 -8.442,-28.309 -8.442,-28.464 -8.395,-28.511 -6.812,-28.511 -5.854,-28.511 -4.701,-29.664 -2.715,-29.664 -2.36,-29.309 -0.95,-29.309 -0.685,-29.574 -0.395,-29.574 -0.388,-29.568 0.093,-29.568 0.2,-29.568 0.32,-29.448 0.32,-29.02 0.575,-28.765 1.006,-28.765 1.26,-29.02 1.26,-29.448 1.38,-29.568 1.62,-29.568 1.74,-29.448 1.74,-29.02 1.995,-28.765 2.426,-28.765 2.68,-29.02 2.68,-29.448 2.8,-29.568 2.968,-29.568 3.084,-29.684 3.124,-29.724 3.28,-29.88 3.28,-30.383 3.857,-30.96 3.857,-32.15 3.904,-32.197 4.748,-32.197 5.063,-31.882 5.063,-29.056 5.016,-29.01 4.729,-29.01 v1(4.717,-29.021)
  Bottom Layer w0.1: v1(-11.58,-22.6) -11.58,-22.573 -11.267,-22.26 U1B.R8@-11.267,-22.234 ; v1(4.717,-29.021) 4.775,-29.079 4.775,-29.206 J6.c19@5.173,-29.604
FCLKB_P: J6.c18 U1B.R10 | length 34.2
  Int3 (Sign) w0.091: v1(-11.652,-23.405) -11.616,-23.405 -11.328,-23.118 -8.887,-23.118 -8.672,-23.332 -8.672,-26.12 -8.672,-26.323 -8.672,-27.224 -8.792,-27.344 -9.462,-27.344 -9.717,-27.599 -9.717,-28.029 -9.462,-28.284 -8.792,-28.284 -8.672,-28.404 -8.672,-28.511 -8.672,-28.559 -8.491,-28.741 -5.949,-28.741 -4.796,-29.894 -2.619,-29.894 -2.264,-29.539 -1.045,-29.539 -0.78,-29.804 -0.299,-29.804 -0.293,-29.798 0.093,-29.798 0.296,-29.798 0.55,-29.543 0.55,-29.115 0.67,-28.995 0.91,-28.995 1.03,-29.115 1.03,-29.543 1.285,-29.798 1.716,-29.798 1.97,-29.543 1.97,-29.115 2.09,-28.995 2.33,-28.995 2.45,-29.115 2.45,-29.543 2.705,-29.798 2.873,-29.798 2.922,-29.847 3.05,-29.975 3.05,-30.028 3.05,-30.479 3.627,-31.056 3.627,-32.245 3.809,-32.427 4.843,-32.427 5.293,-31.977 5.293,-29.056 5.34,-29.01 5.627,-29.01 v1(5.639,-28.998)
  Bottom Layer w0.1: v1(-11.652,-23.405) -11.652,-23.427 -11.267,-23.812 U1B.R10@-11.267,-23.834 ; J6.c18@5.173,-28.334 5.59,-28.751 5.59,-28.949 v1(5.639,-28.998)
FCLKC_N: J6.d21 U1C.R8 | length 24.9
  Int3 (Sign) w0.091: v1(-10.867,-39.03) -10.867,-39.756 -10.914,-39.803 -10.98,-39.803 -11.434,-39.35 -11.434,-33.737 -9.514,-31.818 -3.001,-31.818 -2.301,-31.118 2.064,-31.118 2.57,-31.624 3.061,-31.624 3.201,-31.764 v1(3.268,-31.764)
  Bottom Layer w0.1: U1C.R8@-11.267,-39.43 v1(-10.867,-39.03) ; v1(3.268,-31.764) 3.322,-31.764 3.477,-31.609 3.759,-31.609 3.842,-31.609 3.901,-31.668 J6.d21@3.901,-32.144
FCLKC_P: J6.d20 U1C.R10 | length 25.5
  Int3 (Sign) w0.091: v1(-10.867,-40.63) -10.867,-40.19 -11.024,-40.033 -11.076,-40.033 -11.664,-39.445 -11.664,-33.642 -9.609,-31.588 -3.097,-31.588 -2.397,-30.888 2.159,-30.888 2.665,-31.394 3.063,-31.394 3.203,-31.254 v1(3.27,-31.254)
  Bottom Layer w0.1: U1C.R10@-11.267,-41.03 v1(-10.867,-40.63) ; v1(3.27,-31.254) 3.324,-31.254 3.479,-31.409 3.679,-31.409 3.844,-31.409 3.903,-31.351 J6.d20@3.903,-30.874
FCLKD_N: J6.f29 U1D.R8 | length 30.6
  Int3 (Sign) w0.091: v1(-10.877,-57.029) -11.139,-57.29 -11.224,-57.29 -11.271,-57.244 -11.271,-56.97 -11.01,-56.709 -10.745,-56.709 -10.648,-56.805 -8.63,-56.805 -6.84,-55.015 -0.339,-55.015 0.96,-53.716 0.96,-53.325 1.332,-52.953 1.332,-48.588 0.094,-47.35 0.094,-46.104 0.094,-45.08 0.214,-44.96 0.702,-44.96 0.957,-44.705 0.957,-44.274 0.702,-44.02 0.214,-44.02 0.094,-43.9 0.094,-43.792 0.094,-42.066 0.375,-41.784 0.523,-41.784 0.663,-41.924 v1(0.73,-41.924)
  Bottom Layer w0.1: U1D.R8@-11.267,-56.625 -11.267,-56.632 -10.877,-57.022 v1(-10.877,-57.029) ; v1(0.73,-41.924) 0.784,-41.924 0.939,-41.769 1.222,-41.769 1.304,-41.769 1.363,-41.828 J6.f29@1.363,-42.304
FCLKD_P: J6.f28 U1D.R10 | length 31.3
  Int3 (Sign) w0.091: v1@-11.648,-57.781 v1(-11.667,-57.781) -11.387,-57.5 -11.387,-57.453 -11.501,-57.339 -11.501,-56.875 -11.105,-56.479 -10.65,-56.479 -10.553,-56.575 -8.725,-56.575 -6.935,-54.785 -0.434,-54.785 0.73,-53.621 0.73,-53.23 1.102,-52.858 1.102,-48.683 -0.136,-47.445 -0.136,-46.104 -0.136,-44.984 0.119,-44.73 0.607,-44.73 0.727,-44.61 0.727,-44.37 0.607,-44.25 0.119,-44.25 -0.136,-43.995 -0.136,-43.792 -0.136,-41.971 0.28,-41.554 0.523,-41.554 0.663,-41.414 v1(0.73,-41.414)
  Bottom Layer w0.1: v1(-11.667,-57.781) -11.667,-57.803 -11.267,-58.203 U1D.R10@-11.267,-58.225 ; v1(0.73,-41.414) 0.784,-41.414 0.939,-41.569 1.139,-41.569 1.304,-41.569 1.363,-41.511 J6.f28@1.363,-41.034
FMC_CLK_N: C24.2 IC5.10 R16.2 | length 2.5
  Bottom Layer w0.1: R16.2@-47.266,-12.085 -47.212,-12.032 C24.2@-46.499,-12.032 -46.499,-12.007 -46.349,-11.857 -46.288,-11.857 -46.229,-11.798 -46.229,-11.387 -46.244,-11.373 -46.244,-11.062 -46.394,-10.912 IC5.10@-46.394,-10.529
FMC_CLK_P: C23.2 IC5.9 R14.2 | length 2.6
  Bottom Layer w0.1: IC5.9@-45.894,-10.529 -45.894,-10.912 -46.044,-11.062 -46.044,-11.29 -46.029,-11.304 -46.029,-11.798 -45.971,-11.857 -45.909,-11.857 -45.759,-12.007 C23.2@-45.759,-12.032 -45.706,-12.085 R14.2@-44.88,-12.085
GA0: IC2.2 J6.c34 | length 19.5
  Int3 (Sign) w0.127: v1(5.785,-49.189) 6.586,-49.189 7.759,-50.362 7.759,-52.358 v1(7.08,-53.036)
  Int4 (Sign) w0.127: v1(3.833,-62.07) 3.846,-62.07 4.044,-62.268 6.198,-62.268 7.592,-60.874 7.592,-58.226 6.995,-57.629 6.995,-53.121 v1(7.08,-53.036)
  Bottom Layer w0.127: v1(3.833,-62.07) 3.838,-62.075 4.58,-62.075 IC2.2@4.585,-62.08 ; J6.c34@5.173,-48.654 5.708,-49.189 v1(5.785,-49.189)
GA1: IC2.1 J6.d35 | length 22.9
  Int3 (Sign) w0.127: v1(4.53,-49.297) 5.156,-49.297 v1(7.08,-51.222)
  Int4 (Sign) w0.127: v1(3.59,-62.625) 8.805,-62.625 9.15,-62.281 9.15,-57.29 8.095,-56.235 8.095,-53.942 7.588,-53.435 7.588,-51.729 v1(7.08,-51.222)
  Bottom Layer w0.127: v1(3.59,-62.625) 3.613,-62.603 4.563,-62.603 IC2.1@4.585,-62.58 ; J6.d35@3.903,-49.924 v1(4.53,-49.297)
GBTCLK1_M2C_N: J6.b21
GBTCLK1_M2C_P: J6.b20